# Altium PCB SteezyHS.PcbDoc (part 2 of 2)
Units mm, origin at the board's own origin, x right, y up, seen from the top; angles counter-clockwise.
Board outline 285.25 x 94.86 mm, 2 copper layers (Component Side, Bottom Layer), stack 1.571 mm thick; 159 components, 103 nets, 945 pads, 137 vias.
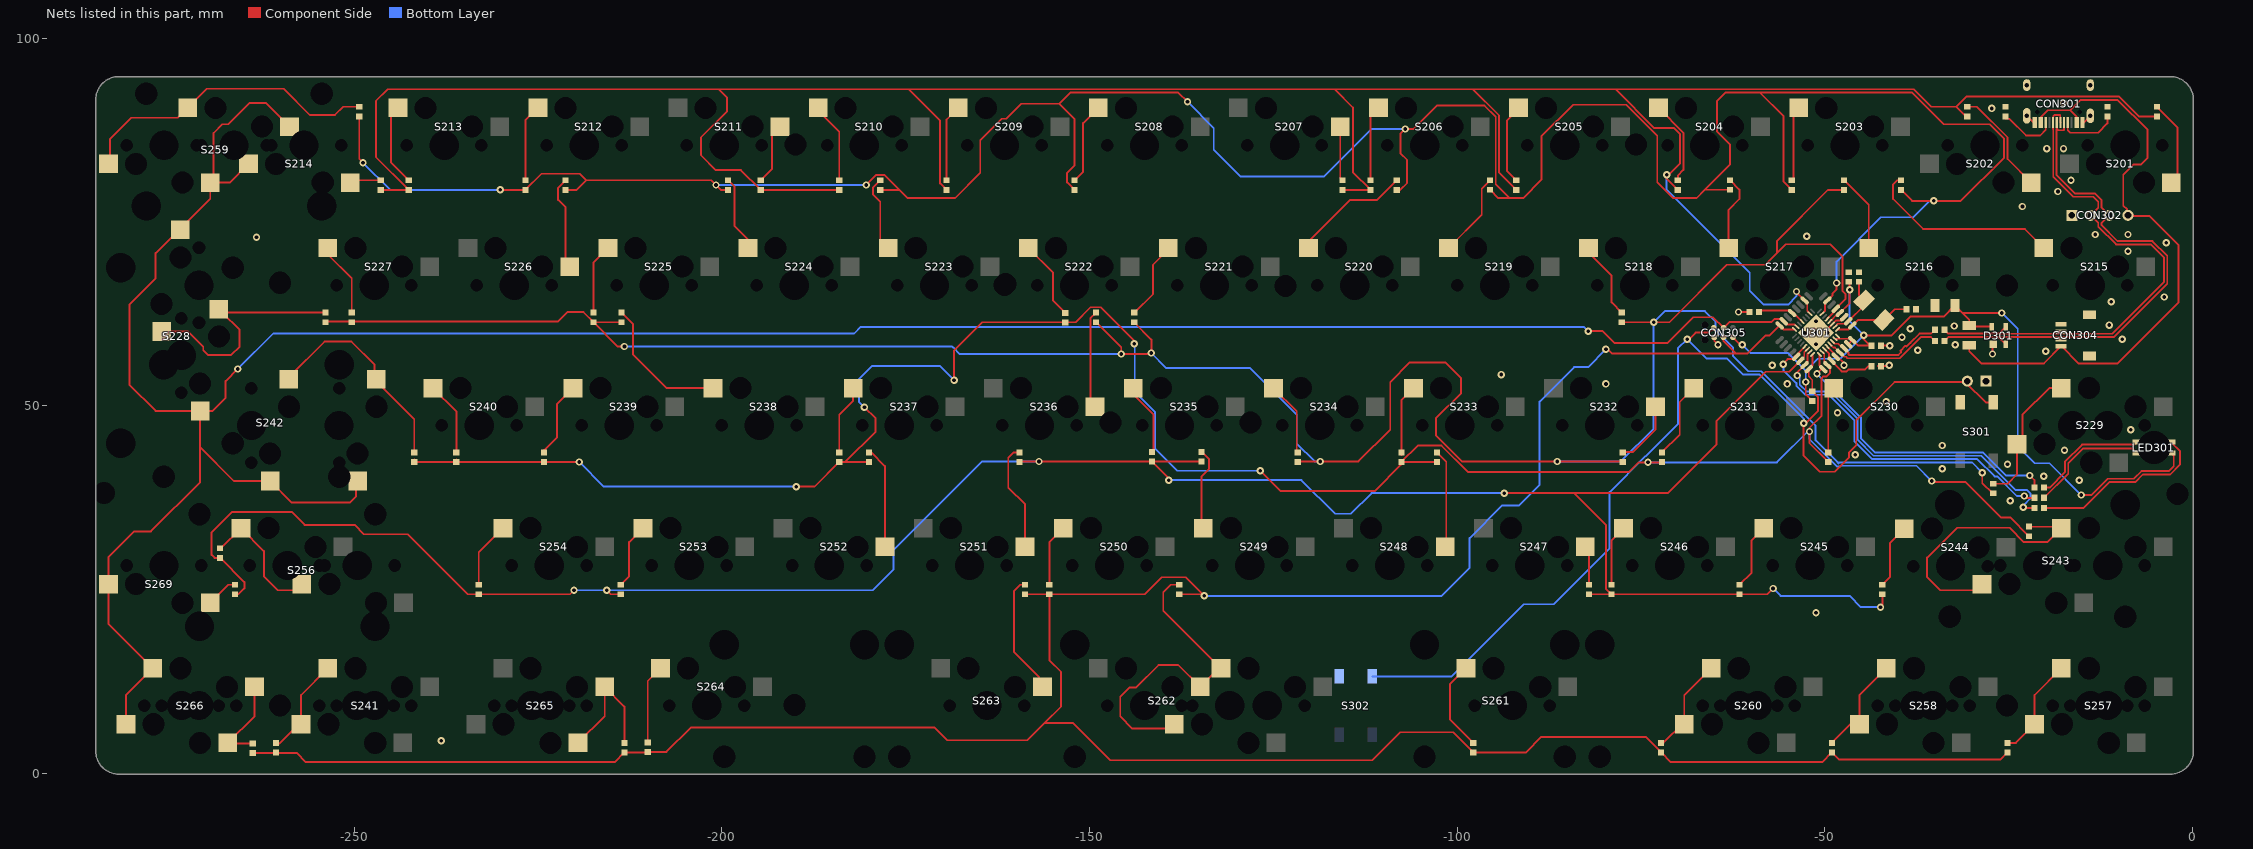
[diagram p2: the nets of this part, all layers, seen from the top]

## Via types
v1: diameter 1, hole 0.5, Component Side to Bottom Layer, tented both sides, 132 vias
v2: diameter 1, hole 0.5, Component Side to Bottom Layer, tented bottom, 5 vias

## Nets (pads, with @x,y where several pads share a name; then routed paths per layer and width w, separated by ;. In a path a pad name is that pad's centre, name@x,y a point inside that pad or via, vN(x,y) a via of type N, cw(c..) or ccw(c..) an arc to the next point about the centre after c; other vN are vias at no path point) (continued)
col11: CON305.3 S214.2 S228.2 S242.2 S259.2 S266.2 S269.2 U301.15 | length 376.8
  Component Side w0.254: S266.2@-281.028,6.675 -281.028,10.644 S266.2@-277.377,14.295 -283.41,20.328 S269.2@-283.41,25.725 -283.41,29.391 -279.908,32.893 -277.622,32.893 -270.929,39.586 -270.929,44.323 ; v1(-265.811,54.991) -267.462,53.34 -267.462,51.054 -269.236,49.28 S228.2@-270.929,49.28 ; S214.2@-264.36,82.875 -266.9,80.335 S259.2@-269.56,80.335 ; S259.2@-258.765,87.955 -261.996,91.186 -264.16,91.186 -267.081,88.265 -267.906,88.265 -269.113,87.058 -269.113,80.782 S259.2@-269.56,80.335 ; S242.2@-249.758,39.723 -249.758,37.643 -250.571,36.83 -258.485,36.83 S242.2@-261.41,39.755 -266.361,39.755 -270.929,44.323 ; v1(-82.169,60.133) -80.187,60.133 -78.601,58.547 -71.346,58.547 -67.863,62.03 -65.205,62.03 CON305.3@-63.754,60.579 -62.938,61.395 -57.223,61.395 -56.808,61.81 -55.848,61.81 -55.848,61.474 U301.15@-55.568,61.474 -55.136,61.042 -54.076,61.042 U301.15@-53.765,60.731 ; -270.929,44.323 S228.2@-270.929,49.28 ; S228.2@-270.929,49.28 -276.991,49.28 -280.543,52.832 -280.543,63.754 -276.987,67.31 -276.987,70.739 -273.714,74.012 -269.56,78.166 S259.2@-269.56,80.335
  Bottom Layer w0.254: v1(-265.811,54.991) -260.985,59.817 -181.991,59.817 -181.102,60.706 -82.742,60.706 v1(-82.169,60.133)
D_N: CON301.A7 CON301.B7 CON302.3 CON304.2 D301.2 R306.2 | length 70.5
  Component Side w0.254: R306.2@-33.715,58.801 -33.182,59.334 -26.391,59.334 ; D301.2@-25.4,58.343 -26.391,59.334 ; CON301.B7@-17.45,88.5 -17.473,88.477 -17.473,87.448 -18.235,87.448 -18.427,87.64 -18.427,88.138 -18.45,88.138 -18.45,87.648 -18.471,87.627 -18.471,81.336 -16.002,78.867 -13.298,78.867 -12.344,77.913 -12.344,76.931 -11.788,76.375 CON302.3@-11.303,75.89 -12.344,74.849 -12.344,74.549 -10.185,72.39 -5.449,72.39 -3.422,70.363 -3.422,66.613 -10.706,59.328 -25.964,59.328 -25.97,59.334 -26.391,59.334
D_P: CON301.A6 CON301.B6 CON302.2 CON304.3 D301.3 R305.2 | length 70.5
  Component Side w0.254: R305.2@-33.715,60.325 -33.182,59.792 -26.351,59.792 ; D301.3@-25.4,60.743 -26.351,59.792 ; CON301.A6@-17.95,88.5 -17.973,88.5 -17.973,89.552 -18.735,89.552 -18.927,89.36 -18.927,88.5 CON301.B6@-18.95,88.5 -18.95,87.648 -18.929,87.627 -18.929,81.147 -16.191,78.41 -13.487,78.41 -12.802,77.724 -12.802,76.931 CON302.2@-13.843,75.89 -12.802,74.849 -12.802,74.36 -10.375,71.933 -5.639,71.933 -3.879,70.173 -3.879,66.802 -10.896,59.786 -25.775,59.786 -25.781,59.792 -26.351,59.792
D_PRE_N: R306.1 U301.29 | length 16.5
  Component Side w0.254: U301.29@-49.31,58.398 -48.825,57.912 -48.613,57.912 U301.29@-47.932,57.231 -47.347,56.646 -47.104,56.646 -46.911,56.453 -39.801,56.453 -36.92,59.334 -35.548,59.334 R306.1@-35.015,58.801
D_PRE_P: R305.1 U301.30 | length 16.5
  Component Side w0.254: U301.30@-48.957,58.751 -48.626,58.42 -48.133,58.42 -47.51,57.797 U301.30@-47.366,57.797 -46.781,57.212 -46.781,56.969 -46.722,56.91 -39.991,56.91 -39.941,56.959 -39.622,57.279 -39.622,57.35 -39.683,57.411 -39.683,57.482 -39.044,58.12 -38.973,58.12 -38.912,58.06 -38.841,58.06 -38.354,58.547 -37.109,59.792 -35.548,59.792 R305.1@-35.015,60.325
GND: C301.1 C302.1 C303.1 C304.1 C305.1 C306.1 CON301.A1B12 CON301.B1A12 CON301.S1 CON302.1 CON303.1 CON304.4 CON304.5 CON305.6 D301.1 pad.CHECK pad.POKER@-190.119,9.271 pad.POKER@-260.05,66.715 R301.2 R302.2 R303.2 S301.2 S302.1 U301.3 U301.28 | length 18.9
  Component Side w0.254: CON305.6@-65.024,59.309 -65.024,58.801 v1(-64.516,58.293) ; v1@-61.976,62.738 v1(-61.722,62.738) R301.2@-60.213,62.738 ; v2(-51.184,59.918) -50.124,59.918 -49.876,60.165 U301.3@-48.957,61.085 -48.447,61.595 -47.81,61.595 U301.3@-47.366,62.039 ; U301.28@-49.664,58.044 -48.497,56.877 U301.28@-48.497,56.665 -48.283,56.665 -47.371,55.753 v1(-47.371,55.499) ; -42.784,55.372 C301.1@-42.35,55.372 -41.366,55.372 v1(-41.238,55.499) ; C303.1@-42.53,58.166 C303.1@-42.35,58.166 v1(-41.148,58.166) ; v1(-27.178,57.023) -27.178,58.139 -27.241,58.202 -27.382,58.343 D301.1@-27.1,58.343 ; CON301.S1@-22.52,89.415 -21.605,88.5 CON301.B1A12@-21.45,88.5 ; CON301.A1B12@-14.95,88.5 -14.795,88.5 CON301.S1@-13.88,89.415
  other v1: -238.125,4.445 -51.181,21.844 -24.765,37.084 -15.367,39.878 -20.193,40.386 -34.036,41.402 -25.146,42.037 -45.847,43.307 -17.399,43.942 -34.036,44.577 -8.382,46.736 -48.26,49.022 -41.656,50.546 -79.756,52.959 -55.118,52.959 -93.98,54.229 -57.15,55.499 -19.939,57.404 -37.338,57.531 -32.258,58.293 -9.525,59.055 -39.497,59.309 -38.354,60.452 -32.385,60.833 -11.303,60.96 -11.049,64.135 -3.81,64.77 -8.763,70.993 -3.556,72.136 -263.271,72.898 -52.451,73.025 -13.208,73.279 -8.763,73.279 -23.114,77.089 -18.288,79.121 -16.51,80.645 -19.812,84.963 -17.526,84.963 -27.305,90.424 -17.526,91.186
  other v2: -51.184,58.362 -52.74,59.918 -49.629,59.918 -51.184,61.474
MOSI: CON305.4 D241.2 D250.2 D257.2 D258.2 D260.2 D261.2 D262.2 D263.2 D264.2 D265.2 D266.2 U301.16 | length 407.9
  Component Side w0.254: D266.2@-263.779,2.779 -257.81,2.779 -256.555,1.524 -214.559,1.524 D265.2@-213.233,2.85 -210.114,2.85 D264.2@-210.058,2.906 -207.533,2.906 -204.216,6.223 -171.061,6.223 -169.337,4.499 -158.435,4.499 -156.083,6.851 ; D263.2@-158.75,24.35 D250.2@-155.448,24.35 ; D262.2@-137.795,24.35 v1@-134.586,24.35 ; v1(-134.366,24.13) v1@-134.586,24.35 ; v1(-79.756,57.658) -79.502,57.658 -78.959,57.115 -62.103,57.115 ; CON305.4@-63.754,59.309 -63.754,58.766 -62.103,57.115 ; U301.16@-54.119,60.378 -55.604,60.378 U301.16@-56.134,60.908 -57.479,59.563 -58.046,59.563 -60.494,57.115 -62.103,57.115 ; D257.2@-25.146,2.85 -26.091,1.905 -48.077,1.905 D258.2@-49.022,2.85 -50.348,1.524 -70.937,1.524 D260.2@-72.263,2.85 -74.366,4.953 -88.519,4.953 -90.622,2.85 D261.2@-97.79,2.85 -100.528,5.588 -107.696,5.588 -111.506,1.778 -147.193,1.778 -152.266,6.851 -156.083,6.851 ; -156.083,6.851 -153.861,9.073 -153.861,13.787 -155.448,15.374 D250.2@-155.448,24.35 ; D250.2@-155.448,24.35 -142.494,24.35 -140.174,26.67 -136.906,26.67 v1@-134.586,24.35
  Bottom Layer w0.254: v1(-134.366,24.13) -102.108,24.13 -98.298,27.94 -98.298,31.997 -93.846,36.449 -91.567,36.449 -88.773,39.243 -88.773,50.546 -84.074,55.245 -82.169,55.245 v1(-79.756,57.658)
NetC301_2: C301.2 U301.27 | length 7.9
  Component Side w0.254: U301.27@-50.018,57.691 -49.403,57.076 -49.403,56.44 U301.27@-49.063,56.1 -49.063,56.021 -47.714,54.672 -47.028,54.672 -46.763,54.937 -44.519,54.937 -44.084,55.372
NetC305_2: C305.2 U301.2 X301.2 | length 8.4
  Component Side w0.254: U301.2@-48.603,60.731 -48.198,61.137 U301.2@-47.08,61.137 ; U301.2@-46.8,61.474 -44.65,63.623 X301.2@-44.65,64.336 -45.339,65.024 C305.2@-45.339,66.85 C305.2@-45.339,67.041
NetC306_2: C306.2 U301.1 X301.1 | length 10.5
  Component Side w0.254: U301.1@-48.25,60.378 -46.765,60.378 U301.1@-46.235,60.908 -45.494,61.648 X301.1@-41.963,61.648 -40.493,63.119 C306.2@-38.877,63.119
NetCON301_A5: CON301.A5 R303.1 | length 8.1
  Component Side w0.254: CON301.A5@-16.95,88.5 -16.95,87.436 -16.636,87.122 -12.827,87.122 -11.557,88.392 R303.1@-11.557,89.35
NetCON301_B5: CON301.B5 R302.1 | length 7.7
  Component Side w0.254: R302.1@-25.4,89.027 -24.892,89.027 -22.606,86.741 -20.712,86.741 -19.95,87.503 CON301.B5@-19.95,88.5
NetD201_1: D201.1 S201.1 | length 11.8
  Component Side w0.254: D201.1@-4.826,90.65 -2.032,87.856 -2.032,81.163 S201.1@-2.86,80.335
NetD202_1: D202.1 S202.1 | length 14.7
  Component Side w0.254: D202.1@-30.607,90.65 -29.309,90.65 -25.146,86.487 -25.146,83.571 S202.1@-21.91,80.335
NetD203_1: D203.1 S203.1 | length 10.2
  Component Side w0.254: D203.1@-54.483,80.65 -54.229,80.904 -54.229,89.806 S203.1@-53.54,90.495
NetD204_1: D204.1 S204.1 | length 11.6
  Component Side w0.254: S204.1@-72.59,90.495 -69.215,87.12 -69.215,82.057 -69.977,81.295 D204.1@-69.977,80.65
NetD205_1: D205.1 S205.1 | length 10.8
  Component Side w0.254: D205.1@-91.948,80.65 -93.218,81.92 -93.218,88.719 S205.1@-91.64,90.297
NetD206_1: D206.1 S206.1 | length 10.3
  Component Side w0.254: D206.1@-111.76,80.65 -111.76,89.425 S206.1@-110.69,90.495
NetD207_1: D207.1 S207.1 | length 8.1
  Component Side w0.254: D207.1@-115.57,80.65 -115.89,80.97 S207.1@-115.89,87.955 S207.1@-115.443,87.508
NetD208_1: D208.1 S208.1 | length 11.2
  Component Side w0.254: D208.1@-152.019,80.65 -150.861,81.808 -150.861,88.424 S208.1@-148.79,90.495
NetD209_1: D209.1 S209.1 | length 10.5
  Component Side w0.254: D209.1@-169.418,80.65 -169.418,88.917 S209.1@-167.84,90.495
NetD210_1: D210.1 S210.1 | length 11
  Component Side w0.254: S210.1@-186.89,90.495 -186.89,90.116 -184.023,87.249 D210.1@-184.023,80.65
NetD211_1: D211.1 S211.1 | length 8.4
  Component Side w0.254: D211.1@-194.691,80.65 -193.167,82.174 -193.167,86.878 S211.1@-192.09,87.955
NetD212_1: D212.1 S212.1 | length 10.6
  Component Side w0.254: D212.1@-226.695,80.65 -226.695,88.79 S212.1@-224.99,90.495
NetD213_1: D213.1 S213.1 | length 11.2
  Component Side w0.254: S213.1@-244.04,90.495 -244.983,89.552 -244.983,83.073 -244.221,82.311 -244.221,82.301 D213.1@-242.57,80.65
NetD214_1: D214.1 S214.1 | length 4.3
  Component Side w0.254: S214.1@-250.51,80.335 -250.195,80.65 D214.1@-246.38,80.65
NetD215_1: D215.1 S215.1 | length 27
  Component Side w0.254: D215.1@-39.624,80.65 -40.127,80.65 -40.694,80.083 -40.694,78.105 -36.615,74.026 -22.783,74.026 S215.1@-20.202,71.445 S215.1@-20.528,71.12
NetD216_1: D216.1 S216.1 | length 10.6
  Component Side w0.254: D216.1@-47.371,80.65 -44.015,77.294 S216.1@-44.015,71.445
NetD217_1: D217.1 S217.1 | length 10.3
  Component Side w0.254: S217.1@-63.065,71.445 -63.065,76.635 -61.595,78.105 -61.595,79.39 D217.1@-62.865,80.66
NetD218_1: D218.1 S218.1 | length 10.7
  Component Side w0.254: S218.1@-82.115,71.445 -82.115,70.812 -78.994,67.691 -78.994,64.047 D218.1@-77.597,62.65
NetD219_1: D219.1 S219.1 | length 11.6
  Component Side w0.254: S219.1@-101.165,71.445 -96.647,75.963 -96.647,79.517 D219.1@-95.504,80.66
NetD220_1: D220.1 S220.1 | length 16.3
  Component Side w0.254: S220.1@-120.215,71.445 -120.215,72.317 -114.554,77.978 -110.876,77.978 D220.1@-108.204,80.65
NetD221_1: D221.1 S221.1 | length 11.4
  Component Side w0.254: D221.1@-143.891,62.611 -143.872,62.63 -141.351,65.151 -141.351,69.161 -139.265,71.247 S221.1@-139.265,70.431
NetD222_1: D222.1 S222.1 | length 11.4
  Component Side w0.254: S222.1@-158.806,71.445 S222.1@-158.315,71.445 -154.94,68.07 -154.94,64.277 D222.1@-153.289,62.626
NetD223_1: D223.1 S223.1 | length 10.5
  Component Side w0.254: D223.1@-178.435,80.65 -179.451,79.634 -179.451,78.74 -178.435,77.724 -178.435,72.515 S223.1@-177.365,71.445
NetD224_1: D224.1 S224.1 | length 10.3
  Component Side w0.254: D224.1@-199.136,80.65 -198.247,79.761 -198.247,74.407 -196.415,72.575 S224.1@-196.415,71.445
NetD225_1: D225.1 S225.1 | length 9.6
  Component Side w0.254: D225.1@-217.424,62.65 -217.424,69.486 S225.1@-215.465,71.445
NetD226_1: D226.1 S226.1 | length 12.8
  Component Side w0.254: D226.1@-221.234,80.65 -222.25,79.634 -222.25,77.978 -221.234,76.962 -221.234,69.474 S226.1@-220.665,68.905
NetD227_1: D227.1 S227.1 | length 10.1
  Component Side w0.254: S227.1@-253.565,71.445 -253.565,70.558 -250.317,67.31 D227.1@-250.317,62.65
NetD228_1: D228.1 S228.1 | length 33
  Component Side w0.254: S228.1@-276.167,60.075 -272.546,60.075 -270.51,58.039 -270.51,57.531 -269.875,56.896 -266.7,56.896 -265.557,58.039 -265.557,60.298 S228.1@-267.909,62.65 ; S228.1@-268.389,63.13 S228.1@-267.909,62.65 ; D228.1@-253.873,62.65 S228.1@-267.909,62.65
NetD229_1: D229.1 S229.1 | length 19.1
  Component Side w0.254: D229.1@-27.178,39.385 D229.1@-27.087,39.385 -25.116,39.385 -23.854,40.647 S229.1@-23.854,44.775 -23.114,45.515 -23.114,48.738 -19.457,52.395 S229.1@-17.821,52.395
NetD230_1: D230.1 S230.1 | length 9.1
  Component Side w0.254: D230.1@-49.53,43.65 -49.515,43.665 -49.515,51.658 S230.1@-48.777,52.395
NetD231_1: D231.1 S231.1 | length 10.5
  Component Side w0.254: D231.1@-72.136,43.65 -69.723,46.063 -69.723,50.5 S231.1@-67.827,52.395
NetD232_1: D232.1 S232.1 | length 8.8
  Component Side w0.254: D232.1@-77.47,43.703 -76.058,43.703 -73.027,46.734 S232.1@-73.027,49.855
NetD233_1: D233.1 S233.1 | length 9.8
  Component Side w0.254: D233.1@-107.569,43.307 D233.1@-107.569,43.65 -107.569,50.754 S233.1@-105.927,52.395
NetD234_1: D234.1 S234.1 | length 10.1
  Component Side w0.254: S234.1@-124.977,52.395 -121.793,49.211 D234.1@-121.793,43.65
NetD235_1: D235.1 S235.1 | length 9.9
  Component Side w0.254: S235.1@-144.027,52.395 -144.027,51.571 -141.297,48.841 -141.297,43.884 D235.1@-141.478,43.703
NetD236_1: D236.1 S236.1 | length 13.6
  Component Side w0.254: S236.1@-149.098,49.984 S236.1@-149.227,49.855 -149.86,50.488 -149.86,61.888 D236.1@-149.098,62.65
NetD237_1: D237.1 S237.1 | length 9.5
  Component Side w0.254: D237.1@-184.023,43.65 -184.023,48.783 -182.127,50.679 S237.1@-182.127,52.395
NetD238_1: D238.1 S238.1 | length 19.1
  Component Side w0.254: D238.1@-213.614,62.65 -212.09,61.126 -212.09,57.023 -207.462,52.395 S238.1@-201.177,52.395
NetD239_1: D239.1 S239.1 | length 10.1
  Component Side w0.254: D239.1@-224.155,43.957 -222.377,45.735 -222.377,50.246 S239.1@-220.227,52.395
NetD240_1: D240.1 S240.1 | length 9.7
  Component Side w0.254: S240.1@-239.277,52.395 -236.093,49.211 D240.1@-236.093,43.972
NetD241_1: D241.1 S241.1 | length 13.4
  Component Side w0.254: D241.1@-260.604,4.079 -260.122,4.079 -257.371,6.83 -257.216,6.985 -257.216,10.644 S241.1@-253.564,14.295
NetD242_1: D242.1 S242.1 | length 29.1
  Component Side w0.254: S242.1@-258.87,53.605 -258.87,53.858 -254,58.728 -250.371,58.728 -247.218,55.575 -247.218,53.605 -247.218,53.573 -247.107,53.462 -241.808,48.164 D242.1@-241.808,43.957
NetD243_1: D243.1 S243.1 | length 37.2
  Component Side w0.254: S243.1@-28.616,25.725 -29.449,24.892 -34.29,24.892 -36.068,26.67 -36.068,29.337 -32.004,33.401 -24.862,33.401 -22.903,31.442 -19.724,31.442 S243.1@-17.821,33.345 -18.019,33.543 D243.1@-22.225,33.543
NetD244_1: D244.1 S244.1 | length 8.9
  Component Side w0.254: D244.1@-42.164,25.65 -41.148,26.666 -41.148,31.309 S244.1@-39.183,33.274
NetD245_1: D245.1 S245.1 | length 9.1
  Component Side w0.254: D245.1@-61.595,25.65 -59.944,27.301 -59.944,31.703 S245.1@-58.302,33.345
NetD246_1: D246.1 S246.1 | length 9.3
  Component Side w0.254: D246.1@-78.994,25.65 -78.994,31.703 S246.1@-77.352,33.345 S246.1@-77.352,32.394
NetD247_1: D247.1 S247.1 | length 5.4
  Component Side w0.254: S247.1@-82.552,30.805 -82.042,30.295 D247.1@-82.042,25.65
NetD248_1: D248.1 S248.1 | length 13.4
  Component Side w0.254: D248.1@-102.743,43.65 -101.473,42.38 -101.473,31.184 S248.1@-101.727,30.93
NetD249_1: D249.1 S249.1 | length 11.6
  Component Side w0.254: S249.1@-134.833,33.345 S249.1@-134.502,33.345 -134.747,33.59 -134.747,40.386 -133.731,41.402 -133.731,42.687 D249.1@-134.747,43.703
NetD250_1: D250.1 S250.1 | length 8.5
  Component Side w0.254: D250.1@-155.448,25.65 -155.448,31.449 S250.1@-153.552,33.345
NetD251_1: D251.1 S251.1 | length 14.9
  Component Side w0.254: D251.1@-159.512,43.65 -160.312,43.65 -161.036,42.926 -161.036,38.847 -158.752,36.563 S251.1@-158.752,30.805
NetD252_1: D252.1 S252.1 | length 13.9
  Component Side w0.254: D252.1@-179.959,43.65 -179.667,43.65 -177.802,41.785 S252.1@-177.802,30.805
NetD253_1: D253.1 S253.1 | length 9
  Component Side w0.254: D253.1@-213.741,25.65 -212.598,26.793 -212.598,31.449 S253.1@-210.702,33.345
NetD254_1: D254.1 S254.1 | length 9.1
  Component Side w0.254: D254.1@-233.045,25.65 -233.045,30.052 S254.1@-229.752,33.345
NetD256_1: D256.1 S256.1 | length 18.1
  Component Side w0.254: D256.1@-268.224,30.607 -268.108,30.607 S256.1@-265.37,33.345 -262.255,30.23 -262.255,26.797 -260.35,24.892 -257.948,24.892 S256.1@-257.115,25.725
NetD257_1: D257.1 S257.1 | length 13.9
  Component Side w0.254: D257.1@-25.146,4.15 -23.997,4.15 S257.1@-21.472,6.675 -21.472,10.644 S257.1@-17.821,14.295
NetD258_1: D258.1 S258.1 | length 13.9
  Component Side w0.254: D258.1@-49.022,4.15 -46.497,6.675 S258.1@-45.284,6.675 -45.284,10.644 S258.1@-41.633,14.295
NetD259_1: D259.1 S259.1 | length 42.1
  Component Side w0.254: S259.1@-283.41,82.875 -283.21,83.075 -283.21,86.233 -280.289,89.154 -273.956,89.154 S259.1@-272.615,90.495 -270.019,93.091 -259.588,93.091 -256.029,89.532 -252.606,89.532 -251.488,90.65 D259.1@-249.301,90.65
NetD260_1: D260.1 S260.1 | length 13.2
  Component Side w0.254: D260.1@-72.263,4.15 -71.932,4.15 -69.252,6.83 -69.097,6.985 -69.097,10.644 S260.1@-65.446,14.295
NetD261_1: D261.1 S261.1 | length 12.4
  Component Side w0.254: S261.1@-98.783,14.295 -100.965,12.113 -100.965,7.325 D261.1@-97.79,4.15
NetD262_1: D262.1 S262.1 | length 44.8
  Component Side w0.254: S262.1@-138.463,6.675 -139.042,6.096 -144.145,6.096 -145.796,7.747 -145.796,10.414 -144.526,11.684 -143.637,11.684 -140.589,14.732 -137.916,14.732 S262.1@-134.939,11.755 -132.399,14.295 S262.1@-132.113,14.295 -139.954,22.136 -139.954,24.638 -138.942,25.65 D262.1@-137.795,25.65
NetD263_1: D263.1 S263.1 | length 15
  Component Side w0.254: D263.1@-158.75,25.65 -159.389,25.65 -160.274,24.765 -160.274,16.53 -156.825,13.081
NetD264_1: D264.1 S264.1 | length 10.8
  Component Side w0.254: D264.1@-210.058,4.206 -210.058,12.558 S264.1@-208.321,14.295
NetD265_1: D265.1 S265.1 | length 17.8
  Component Side w0.254: S265.1@-219.553,4.135 -215.902,7.786 S265.1@-215.902,11.755 -213.233,9.086 D265.1@-213.233,4.15
NetD266_1: D266.1 S266.1 | length 12.4
  Component Side w0.254: D266.1@-263.906,4.079 -267.122,4.079 S266.1@-267.178,4.135 -263.527,7.786 S266.1@-263.527,11.755
NetD269_1: D269.1 S269.1 | length 4.4
  Component Side w0.254: S269.1@-269.56,23.185 -267.095,25.65 D269.1@-266.192,25.65
NetLED301_1: LED301.1 R307.1 | length 24.5
  Component Side w0.254: R307.1@-20.178,36.068 -14.859,36.068 -11.314,39.613 -7.758,39.613 -6.731,40.64 -3.041,40.64 -1.675,42.006 -1.675,43.815 LED301.1@-2.921,45.061
NetLED301_2: LED301.2 R308.1 | length 16.1
  Component Side w0.254: R308.1@-20.178,38.862 -19.423,38.862 -17.345,40.94 -17.345,42.352 -14.993,44.704 -7.878,44.704 LED301.2@-7.521,45.061
NetLED301_3: LED301.3 R309.2 | length 16.5
  Component Side w0.254: R309.2@-20.178,37.465 -16.891,40.752 -16.891,42.164 -14.859,44.196 -8.156,44.196 LED301.3@-7.521,43.561
NetR301_1: R301.1 U301.13 | length 6.7
  Component Side w0.254: R301.1@-58.913,62.738 -58.913,62.942 -54.682,62.942 -54.391,62.651 -54.271,62.651 U301.13@-53.058,61.438
PWM1: R309.1 U301.21 | length 48.2
  Component Side w0.254: v1@-55.626,55.753 -55.051,56.328 -54.151,56.328 -54.151,56.665 U301.21@-53.871,56.665 -53.871,56.877 U301.21@-52.705,58.044 ; v1(-22.86,37.719) -22.606,37.465 R309.1@-21.478,37.465
  Bottom Layer w0.254: v1(-55.626,55.626) -55.626,54.837 -53.859,53.07 -53.859,52.682 -52.666,51.489 -49.471,51.489 -45.993,48.011 -45.993,45.182 -43.556,42.745 -29.256,42.745 -26.897,40.386 -26.543,40.386 -23.876,37.719 v1(-22.86,37.719)
PWM2: R307.2 U301.23 | length 48
  Component Side w0.254: v1@-53.848,54.426 U301.23@-52.74,55.534 -52.324,55.95 -52.324,57.01 U301.23@-51.997,57.337 ; v1(-22.987,36.195) -22.86,36.068 R307.2@-21.478,36.068
  Bottom Layer w0.254: v1(-53.721,54.102) -53.405,53.786 -53.405,52.87 -52.478,51.943 -49.283,51.943 -45.539,48.199 -45.539,45.37 -43.368,43.199 -28.714,43.199 -24.061,38.546 -22.517,38.546 -22.033,38.062 -22.033,37.376 -22.987,36.422 v1(-22.987,36.195)
PWM3: R308.2 U301.25 | length 41.6
  Component Side w0.254: v1(-51.054,54.356) -50.442,54.968 U301.25@-50.194,54.968 -50.725,55.499 U301.25@-50.725,56.983 ; v1(-22.098,40.513) -21.478,39.893 R308.2@-21.478,38.862
  Bottom Layer w0.254: v1(-51.054,54.356) -45.085,48.387 -45.085,45.558 -43.18,43.653 -28.526,43.653 -25.386,40.513 v1(-22.098,40.513)
RAW: CON301.A4B9 CON301.B4A9 CON302.4 CON304.1 F301.2 | length 85.4
  Component Side w0.254: F301.2@-30.353,58.213 -30.353,57.404 -28.702,55.753 -20.179,55.753 CON304.1@-17.875,58.057 -17.798,58.057 -15.494,55.753 -10.16,55.753 -1.905,64.008 -1.905,71.882 -5.842,75.819 -8.001,75.819 -8.382,76.2 -8.89,76.2 -8.89,76.708 -9.398,77.216 -9.398,81.407 -8.001,82.804 -6.985,82.804 -6.096,83.693 -6.096,87.503 -10.16,91.567 -15.24,91.567 -16.637,90.17 ; CON301.B4A9@-20.65,88.5 -20.65,89.205 -19.685,90.17 -16.637,90.17 ; CON301.A4B9@-15.75,88.5 -15.75,89.283 -16.637,90.17
row1: D201.2 D202.2 D204.2 D205.2 D206.2 D207.2 D209.2 D210.2 D211.2 D213.2 D214.2 U301.10 | length 401.1
  Component Side w0.254: D214.2@-246.38,79.35 D213.2@-242.57,79.35 -247.015,83.795 -247.015,91.44 -245.418,93.037 -200.406,93.037 ; D210.2@-184.023,79.35 D211.2@-194.691,79.35 -197.383,82.042 -200.787,82.042 -202.819,84.074 -202.819,86.487 -199.263,90.043 -199.263,91.894 -200.406,93.037 ; -174.444,92.91 -170.307,88.773 -170.307,80.239 D209.2@-169.418,79.35 ; D207.2@-115.57,79.35 D206.2@-111.76,79.35 -114.173,81.763 -114.173,90.551 -116.659,93.037 ; D205.2@-91.948,79.35 -94.288,81.69 -94.288,89.462 -97.863,93.037 ; v1(-71.501,81.407) -71.501,80.874 D204.2@-69.977,79.35 ; v1@-71.374,81.28 -69.669,82.985 -69.669,86.932 -70.494,87.757 -73.152,87.757 -78.432,93.037 ; v1(-53.848,65.532) -53.848,65.41 U301.10@-52.74,64.302 -52.378,63.94 -52.378,62.879 U301.10@-51.997,62.499 ; D202.2@-30.607,89.35 -30.831,89.35 -32.131,90.65 ; D201.2@-4.826,89.35 -7.301,89.35 -9.972,92.021 -30.76,92.021 -32.131,90.65 ; -200.406,93.037 -116.659,93.037 ; -116.659,93.037 -97.863,93.037 ; -97.863,93.037 -78.432,93.037 ; -78.432,93.037 -37.912,93.037 -35.525,90.65 -32.131,90.65
  Bottom Layer w0.254: v1(-71.501,81.407) -71.501,79.375 -60.198,68.072 -60.198,65.659 -58.293,63.754 -54.991,63.754 -53.848,64.897 v1(-53.848,65.532)
row2: D203.2 D208.2 D212.2 D215.2 D217.2 D219.2 D220.2 D223.2 D224.2 D226.2 D259.2 U301.7 | length 394.8
  Component Side w0.254: D259.2@-249.301,89.35 -249.301,83.566 v1(-248.793,83.058) ; v1(-230.099,79.35) D212.2@-226.695,79.35 -224.511,81.534 -219.324,81.534 -218.44,80.65 ; D226.2@-221.234,79.35 -219.74,79.35 -218.44,80.65 ; D224.2@-199.136,79.35 -200.127,79.35 v1(-200.787,80.01) -201.427,80.65 -218.44,80.65 ; v1(-180.34,80.01) -180.34,80.032 -178.995,81.377 -177.875,81.377 -175.848,79.35 ; D223.2@-178.435,79.35 -175.848,79.35 ; D208.2@-152.019,79.35 -153.035,80.366 -153.035,81.661 -152.019,82.677 -152.019,88.971 -154.107,91.059 ; v1(-136.652,91.313) -137.922,92.583 -152.583,92.583 -154.107,91.059 ; D220.2@-108.204,79.35 -107.721,79.35 -106.807,80.264 -106.807,83.439 -107.696,84.328 -107.696,86.995 v1(-107.061,87.63) -105.918,87.63 -102.747,90.801 -96.27,90.801 -94.742,89.274 -94.742,80.137 -92.837,78.232 ; D219.2@-95.504,79.36 -94.376,78.232 -92.837,78.232 ; D217.2@-62.865,79.36 -66.309,79.36 ; D203.2@-54.483,79.35 -55.626,80.493 -55.626,89.408 -58.801,92.583 ; U301.7@-50.371,62.499 -49.984,62.886 -49.984,63.947 U301.7@-49.629,64.302 -48.96,64.971 -48.96,65.24 -48.387,65.813 v1(-48.387,66.675) ; D215.2@-39.624,79.35 -38.125,77.851 v1(-35.179,77.851) -31.496,77.851 -25.6,83.747 -25.6,86.299 -27.566,88.265 -33.782,88.265 -38.1,92.583 -58.801,92.583 ; -175.848,79.35 -174.73,78.232 -168.275,78.232 -164.846,81.661 -164.846,86.106 -161.925,89.027 -161.29,89.027 -159.258,91.059 -154.107,91.059 ; -92.837,78.232 -91.027,78.232 -88.519,80.74 -88.519,86.614 -84.201,90.932 -76.969,90.932 -72.771,86.734 -72.771,80.391 -70.612,78.232 -67.437,78.232 -66.309,79.36 ; -66.309,79.36 -62.865,82.804 -62.865,85.471 -64.643,87.249 -64.643,91.44 -63.5,92.583 -58.801,92.583
  Bottom Layer w0.254: v1(-248.793,83.058) -245.085,79.35 v1(-230.099,79.35) ; v1(-200.787,80.01) v1(-180.34,80.01) ; v1(-136.652,91.313) -133.096,87.757 -133.096,84.836 -129.413,81.153 -118.11,81.153 -111.633,87.63 v1(-107.061,87.63) ; v1(-48.387,66.675) -48.387,69.589 -42.357,75.619 -37.939,75.619 -35.707,77.851 v1(-35.179,77.851)
row3: D216.2 D218.2 D221.2 D225.2 D227.2 D228.2 D229.2 D232.2 D234.2 D236.2 D238.2 U301.5 | length 378.2
  Component Side w0.254: D228.2@-253.873,61.468 -222.235,61.468 -220.98,62.723 -218.797,62.723 D225.2@-217.424,61.35 ; D238.2@-213.614,61.35 D225.2@-217.424,61.35 ; v1@-212.979,58.039 v1(-213.233,58.039) -214.113,58.039 D225.2@-217.424,61.35 ; D236.2@-149.098,61.35 -145.669,57.921 v1(-145.669,57.023) -141.717,57.023 v1(-141.575,57.165) -141.575,58.995 D221.2@-143.891,61.311 ; D234.2@-121.666,42.35 -121.598,42.418 v1(-118.618,42.418) -113.411,42.418 -109.093,46.736 -109.093,53.213 -106.426,55.88 -101.6,55.88 -99.441,53.721 -99.441,51.689 -102.87,48.26 -102.87,45.974 -99.299,42.403 D232.2@-77.47,42.403 ; D218.2@-77.597,61.35 v1(-73.27,61.35) -71.111,61.35 -63.297,69.164 -58.083,69.164 -56.515,70.732 ; U301.5@-49.664,61.792 -48.497,62.959 U301.5@-48.497,63.171 -47.19,64.478 -47.19,65.197 -47.56,65.567 -47.56,70.237 -49.278,71.955 -55.292,71.955 -56.515,70.732 ; D216.2@-47.371,79.35 -49.555,79.35 -56.515,72.39 -56.515,70.732 ; v1(-28.575,40.894) -28.575,39.482 D229.2@-27.178,38.085
  Bottom Layer w0.254: v1(-213.233,58.039) -168.656,58.039 -168.529,57.912 -168.514,57.927 -167.61,57.023 v1(-145.669,57.023) ; v1(-141.575,57.165) -139.528,55.118 -128.143,55.118 -121.793,48.768 -121.793,44.831 -119.38,42.418 v1(-118.618,42.418) ; v1(-86.36,42.418) -77.724,42.418 -73.279,46.863 v1@-73.279,61.087 ; v1(-73.27,61.35) -71.755,62.865 -66.294,62.865 -64.843,61.414 -64.843,60.264 -62.495,57.916 -62.495,56.773 -60.412,54.69 -58.661,54.69 -51.243,47.272 -51.243,45.274 -48.26,42.291 ; -48.127,42.158 -48.26,42.291 ; v1(-28.575,40.894) -29.972,42.291 -48.26,42.291
row4: D222.2 D230.2 D231.2 D233.2 D237.2 D239.2 D240.2 D242.2 D243.2 D248.2 D252.2 U301.26 | length 301.1
  Component Side w0.254: D242.2@-241.808,42.35 D240.2@-236.093,42.35 D239.2@-224.155,42.35 v1(-219.397,42.35) ; D242.2@-241.808,42.657 D242.2@-241.793,42.672 ; D240.2@-236.093,42.672 D240.2@-236.078,42.657 ; v1@-190.119,39.116 v1@-189.928,38.925 ; v1(-189.865,38.989) -187.384,38.989 D237.2@-184.023,42.35 -183.202,42.35 ; v1(-180.594,49.784) -179.07,48.26 -179.07,46.482 -183.202,42.35 ; D252.2@-179.959,42.35 -183.202,42.35 ; v1(-168.402,53.467) -168.402,57.531 -164.583,61.35 -151.877,61.35 -149.85,63.377 -148.467,63.377 -143.891,58.801 v1(-143.891,58.42) ; v1(-126.746,41.148) -123.982,38.384 -111.192,38.384 D233.2@-107.569,42.007 ; D248.2@-102.743,42.35 D233.2@-107.569,42.35 -105.342,44.577 -102.115,44.577 -98.505,40.967 -76.62,40.967 -75.296,42.291 v1(-74.041,42.291) -72.195,42.291 D231.2@-72.136,42.35 ; U301.26@-50.371,57.337 -50.06,57.026 -50.06,55.966 U301.26@-49.629,55.534 -49.292,55.197 -49.292,54.418 -49.738,53.972 -50.188,53.972 -50.419,53.741 -50.419,48.641 -52.07,46.99 v1(-52.07,46.482) -52.07,44.89 D230.2@-49.53,42.35 ; v1(-35.433,39.751) -35.306,39.624 -30.861,39.624 -26.035,34.798 -24.78,34.798 D243.2@-22.225,32.243
  Bottom Layer w0.254: v1(-219.397,42.35) -219.397,42.359 -216.027,38.989 v1(-189.865,38.989) ; v1(-180.594,49.784) -181.356,50.546 -181.356,53.594 -179.578,55.372 -170.307,55.372 v1(-168.402,53.467) ; v1(-143.891,58.42) -143.826,58.355 -143.826,51.878 -141.097,49.149 -141.097,44.196 -138.049,41.148 v1(-126.746,41.148) ; v1(-74.041,42.291) -56.515,42.291 -52.07,46.736 v1(-52.07,46.482) -52.07,45.459 -48.315,41.704 -47.939,41.704 -47.806,41.837 -37.519,41.837 v1(-35.433,39.751)
row5: D235.2 D244.2 D245.2 D246.2 D247.2 D249.2 D251.2 D253.2 D254.2 D256.2 D269.2 U301.22 | length 328.5
  Component Side w0.254: D269.2@-266.192,24.35 -265.718,24.35 -264.922,25.146 -264.922,26.005 D256.2@-268.224,29.307 -268.956,29.307 -269.367,29.718 -269.367,32.766 -266.573,35.56 -258.499,35.56 -256.721,33.782 -249.936,33.782 -248.666,32.512 -242.697,32.512 -234.535,24.35 D254.2@-233.045,24.35 -220.633,24.35 v1(-220.091,24.892) ; v1(-215.646,24.892) -215.104,24.35 D253.2@-213.741,24.35 ; D251.2@-159.512,42.35 -159.459,42.403 v1(-156.845,42.403) D235.2@-141.478,42.403 ; v1(-139.192,39.878) -138.953,39.878 D235.2@-141.478,42.403 ; D249.2@-134.747,42.403 D235.2@-141.478,42.403 ; v1(-93.599,38.1) -71.367,38.1 -64.697,44.77 -64.697,47.945 -58.032,54.61 -54.795,54.61 U301.22@-53.306,56.1 -52.778,56.627 -52.778,57.264 U301.22@-52.351,57.691 ; -84.037,38.078 -79.756,33.797 -79.756,25.112 D246.2@-78.994,24.35 ; D247.2@-82.042,24.35 D246.2@-78.994,24.35 ; v1(-57.023,25.146) -57.819,24.35 D245.2@-61.595,24.35 D246.2@-78.994,24.35 ; v1(-42.418,22.606) -42.164,22.86 D244.2@-42.164,24.35
  Bottom Layer w0.254: v1(-220.091,24.892) v1(-215.646,24.892) -179.444,24.892 -176.65,27.686 -176.65,30.36 -164.607,42.403 v1(-156.845,42.403) ; v1(-139.192,39.878) -121.158,39.878 -116.586,35.306 -114.427,35.306 -111.633,38.1 v1(-93.599,38.1) ; v1(-57.023,25.146) -56.007,24.13 -46.609,24.13 -45.085,22.606 v1(-42.418,22.606)
RST: CON303.2 CON305.5 R304.2 S301.1 S302.2 U301.24 | length 148.1
  Component Side w0.254: v1(-68.707,59.055) -68.453,59.055 -67.564,59.944 -65.739,59.944 CON305.5@-65.104,60.579 ; U301.24@-51.644,56.983 -51.644,55.499 U301.24@-52.174,54.968 -52.174,53.979 -51.689,53.494 R304.2@-51.689,51.958 -51.689,51.945 -50.937,51.193 -50.937,49.266 -52.705,47.498 -52.897,47.306 -52.897,43.245 -50.673,41.021 -48.641,41.021 -46.674,42.988 -46.674,43.65 -45.72,44.604 -45.72,48.006 -40.513,53.213 -30.861,53.213 -30.797,53.149 -28.105,50.457 S301.1@-27.087,50.457
  Bottom Layer w0.254: S302.2@-111.506,13.19 -100.729,13.19 -90.932,22.987 -86.868,22.987 -79.248,30.607 -79.248,38.254 -74.384,43.118 -74.357,43.118 -69.977,47.498 -69.977,57.785 v1(-68.707,59.055) -66.059,56.407 -63.251,56.407 -61.08,54.236 -58.849,54.236 -52.832,48.219 v1(-52.832,47.625)
VCC: C302.2 C303.2 C304.2 CON305.2 D301.4 F301.1 LED301.4 R304.1 U301.4 U301.31 U301.32 | length 120.8
  Component Side w0.254: CON305.2@-62.484,59.309 -61.468,58.293 v1(-61.214,58.293) ; v1(-52.578,53.213) -52.578,51.547 R304.1@-51.689,50.658 R304.1@-51.435,50.404 ; U301.4@-49.31,61.438 -48.144,62.605 U301.4@-47.932,62.605 -46.609,63.928 v1(-46.609,65.786) -46.609,66.85 -46.609,66.929 -46.633,66.953 C302.2@-46.736,67.056 ; U301.31@-48.603,59.105 -48.25,59.105 -46.411,59.105 U301.32@-46.235,58.928 ; U301.31@-46.8,58.362 U301.32@-46.235,58.928 ; D301.4@-27.3,60.743 -30.183,60.743 F301.1@-30.353,60.913 -30.353,61.675 -31.289,62.611 ; v1(-25.908,62.611) -31.289,62.611 ; v1(-15.113,37.846) -13.723,37.846 -11.502,40.067 -7.946,40.067 -6.919,41.094 -3.229,41.094 -2.54,41.783 -2.54,43.18 LED301.4@-2.921,43.561 ; U301.32@-46.235,58.928 -45.473,58.166 -43.83,58.166 -44.704,59.04 v1(-44.704,59.563) -40.894,59.563 -38.354,62.103 -33.829,62.103 C304.2@-32.305,63.627 -31.289,62.611
  Bottom Layer w0.254: v1(-61.214,58.293) -60.071,57.15 -54.991,57.15 -52.578,54.737 ; v1(-52.578,53.213) -52.578,54.737 ; v1(-46.609,65.786) -46.609,61.468 v1(-44.704,59.563) -47.879,56.388 -50.927,56.388 -52.578,54.737 ; v1(-25.908,62.611) -23.749,60.452 -23.749,44.45 -21.463,42.164 -19.431,42.164 v1(-15.113,37.846)
pads on no net: CON301. CON301.A8 CON301.B8 CON305.0 LED301. S201. S202. S203. S204. S205. S206. S207. S208. S209. S210. S211. S212. S213. S214. S215. S216. S217. S218. S219. S220. S221. S222. S223. S224. S225. S226. S227. S228. S229. S230. S231. S232. S233. S234. S235. S236. S237. S238. S239. S240. S241. S242. S243. S244. S245. S246. S247. S248. S249. S250. S251. S252. S253. S254. S256. S257. S258. S259. S260. S261. S262. S263. S264. S265. S266. S269. S301. S302.
copper on no net:
  other v1: -16.129,58.42 -16.129,60.706

## Polygon pours and split planes (outlines as drawn)
GND on Component Side "Component Side-No Net" (solid, pour order 2): -0.635,93.995 -0.635,0.65 -283.972,0.65 -283.972,93.995
GND on Bottom Layer "Component Side-No Net" (solid, pour order 0): -0.635,93.995 -0.635,0.65 -283.972,0.65 -283.972,93.995

## Other copper
Component Side:
  pour cut-out: -4.117,97.055 ccw(c-4.117,95.555) -4.117,94.054 cw(c-4.117,90.555) -0.617,90.555 ccw(c0.883,90.555) 0.883,89.054 ccw(c0.883,90.555) 2.384,90.555 ccw(c-4.117,90.555)
  pour cut-out: 2.44,4.117 ccw(c0.94,4.117) -0.561,4.117 cw(c-4.06,4.117) -4.06,0.617 ccw(c-4.06,-0.883) -5.561,-0.883 ccw(c-4.06,-0.883) -4.06,-2.384 ccw(c-4.06,4.117)
  pour cut-out: -287.043,90.504 ccw(c-285.543,90.504) -284.043,90.504 cw(c-280.543,90.504) -280.543,94.004 ccw(c-280.543,95.504) -279.043,95.504 ccw(c-280.543,95.504) -280.543,97.004 ccw(c-280.543,90.504)
  pour cut-out: -280.49,-2.44 ccw(c-280.49,-0.94) -280.49,0.561 cw(c-280.49,4.06) -283.99,4.06 ccw(c-285.49,4.06) -285.49,5.561 ccw(c-285.49,4.06) -286.991,4.06 ccw(c-280.49,4.06)
Bottom Layer:
  pour cut-out: -287.043,90.504 ccw(c-285.543,90.504) -284.043,90.504 cw(c-280.543,90.504) -280.543,94.004 ccw(c-280.543,95.504) -279.043,95.504 ccw(c-280.543,95.504) -280.543,97.004 ccw(c-280.543,90.504)
  pour cut-out: 2.44,4.117 ccw(c0.94,4.117) -0.561,4.117 cw(c-4.06,4.117) -4.06,0.617 ccw(c-4.06,-0.883) -5.561,-0.883 ccw(c-4.06,-0.883) -4.06,-2.384 ccw(c-4.06,4.117)
  pour cut-out: -4.117,97.055 ccw(c-4.117,95.555) -4.117,94.054 cw(c-4.117,90.555) -0.617,90.555 ccw(c0.883,90.555) 0.883,89.054 ccw(c0.883,90.555) 2.384,90.555 ccw(c-4.117,90.555)
  pour cut-out: -280.49,-2.44 ccw(c-280.49,-0.94) -280.49,0.561 cw(c-280.49,4.06) -283.99,4.06 ccw(c-285.49,4.06) -285.49,5.561 ccw(c-285.49,4.06) -286.991,4.06 ccw(c-280.49,4.06)

## Silkscreen, mask and mechanical layers (free items; w line width, h text height)
Top Overlay:
  lines w0.254: -207.137,54.229 -190.119,54.229 -187.96,54.229 -183.769,54.229 -183.769,61.849 -183.769,63.881 -189.484,63.881 ; -206.629,54.229 -208.788,54.229 -208.788,63.881 -193.167,63.881 -189.103,63.881 ; -171.958,64.008 -156.337,64.008 -156.337,60.325 -156.337,54.229 -169.672,54.229 ; -171.323,64.008 -174.752,64.008 -179.07,64.008 -179.07,54.229 -172.339,54.229 -169.037,54.229 ; -121.031,54.229 -103.251,54.229 -103.251,64.135 -106.299,64.135 -121.031,64.135 -121.031,54.229 ; -99.822,57.15 -99.822,61.341 -86.741,61.341 -86.741,57.15 -99.822,57.15
  text "GND" at -17.272,77.47 h0.75
  text "D+" at -14.097,77.47 h0.75
  text "D-" at -11.557,77.47 h0.75
  text "VCC" at -9.525,77.47 h0.75
  text "5" at -65.405,62.23 h0.75
  text "1" at -62.484,62.23 h0.75
  text "CON305" at -95.377,61.849 h0.75
  text "1: MISO - 2: VTG / 3: SCLK - 4: MOSI / 5: RST  - 6: GND" at -99.314,57.531 h0.75
  text "6" at -65.278,56.896 h0.75
  text "2" at -62.738,56.896 h0.75
  text "C301: 1uF  (0603) / C302-C303: 0.1uF (0603) / C304: 4.7uF (1206) / C305-C306: 18pF (0603) / R301-R302: 10K  (0603) / R303-R304: 5.1K  (0603) / R305-R306: 22R  (0603)" at -120.396,54.991 h0.75
  text "U301: ATMEGA32U2 / S301-S302: 6.2x6.2mm  SPST-NO / X301: CTS 445, 16MHz / D301: PRTR5V0U2X / CON301: TYPE-C-31-M-12 / F301: 1206 polyfuse / LED301: QT QBLP677R-RGB" at -178.435,54.737 h0.75
  text "D201-D266: CD0603-B0340R (0603) / or any small signal 0603 / CON302: JST SM04B-SRSS / R307: Blue LED resistor, TBD / R308: Green LED resistor, TBD / R309: Red LED resistor, TBD / Switch sockets: Kailh CPG151101S11" at -208.153,54.61 h0.75
  text "RST" at -34.163,52.959 h0.75
  text "GND" at -26.289,52.959 h0.75
  text "Um...hs" at -66.929,39.116 h9
Bottom Overlay:
  lines w0.2: -31.877,52.07 -26.797,52.07 -26.797,54.61 -31.877,54.61 -31.877,52.07 ; -17.653,74.549 -7.493,74.549 -7.493,77.089 -17.653,77.089 -17.653,74.549
  text "GND" at -15.367,77.47 h0.75
  text "D+" at -13.335,77.47 h0.75
  text "D-" at -10.922,77.47 h0.75
  text "VCC" at -7.747,77.47 h0.75
  text "CON302" at -2.54,75.438 h0.75
  text "CON303" at -27.178,55.118 h0.75
  text "RST" at -29.845,50.8 h0.75
  text "GND" at -26.924,50.8 h0.75
  text "RESET" at -111.76,2.921 h0.75
Top Solder:
  text "by 4pplet" at -67.31,36.703 h3
  text "Rev A1" at -47.244,36.576 h3
outline:
  lines w0.203: -195.49,94.615 -195.484,94.608 ; -119.294,94.604 -119.29,94.608
  lines w0.254: -282,0.01 cw(c-282,3.01) -285,3.01 -285,91.615 cw(c-282,91.615) -282,94.615 -195.49,94.615 ; -282,0.015 -3,0.015 ; -198.628,94.615 -119.294,94.615 ; -124.46,94.615 -3,94.615 cw(c-3,91.615) 0,91.615 0,3.01 cw(c-3,3.01) -3,0.01

## Text inside footprints (layer, text, board x,y; h text height)
CON301: Mechanical 15 "connector edge" at -15.25,95.75 h1 r180
LED301: Mechanical 15 "Light direction down" at -0.522,47.359 h1 r180
S262: Mechanical 16 "6.25U" at -188.764,5.615 h1.52 r270; Mechanical 16 "7U" at -208.331,7.365 h1.52 r270